# KiCad board demomatrix.kicad_pcb (continued)
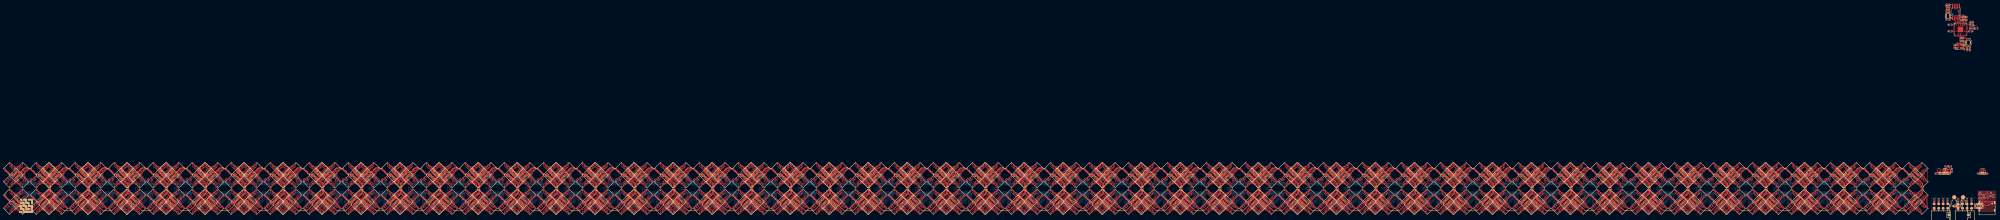
[diagram p0: board, top side]
## Placement (name value [footprint] x y rotation side) (continued)
C435  10µF ±10% 25V X5R  [C0805]  -156.49 6.37 45 top
C436  10µF ±10% 25V X5R  [C0805]  -139.85 19.82 45 top
C437  10µF ±10% 25V X5R  [C0805]  -141.54 4.75 315 top
C438  10µF ±10% 25V X5R  [C0805]  -154.84 4.7 45 top
C439  10µF ±10% 25V X5R  [C0805]  -139.94 6.4 315 top
C440  10µF ±10% 25V X5R  [C0805]  -141.46 21.49 45 top
C441  100nF ±10% 16V X7R  [C0402]  -153.23 13.08 90 bottom
C442  100nF ±10% 16V X7R  [C0402]  5.89 21.49 180 top
C443  100nF ±10% 16V X7R  [C0402]  3.55 21.49 0 top
C444  100nF ±10% 16V X7R  [C0402]  8.89 21.49 180 top
C445  100nF ±10% 16V X7R  [C0402]  6.55 21.49 0 top
C446  100nF ±10% 16V X7R  [C0402]  9.89 21.49 180 top
C447  100nF ±10% 16V X7R  [C0402]  7.55 21.49 0 top
C448  1µF ±10% 25V X5R  [C0402]  11.93 23.38 90 top
C449  1µF ±10% 25V X5R  [C0402]  7.51 23.45 270 top
C450  1µF ±10% 25V X5R  [C0402]  9.71 113.87 180 top
C451  2.2µF ±20% 6.3V X5R  [C0402]  19.21 109.32 90 top
C452  100nF ±10% 16V X7R  [C0402]  17.21 109.32 90 top
C453  100nF ±10% 16V X7R  [C0402]  18.11 97.37 270 top
C454  15pF ±5% 50V C0G  [C0402]  13.36 93.52 90 top
C455  15pF ±5% 50V C0G  [C0402]  18.86 93.02 270 top
C456  2.2µF ±20% 6.3V X5R  [C0402]  20.21 109.32 90 top
C457  100nF ±10% 16V X7R  [C0402]  18.21 109.62 90 top
C458  100nF ±10% 16V X7R  [C0402]  17.11 97.37 270 top
C459  100nF ±10% 16V X7R  [C0402]  23.21 105.37 0 top
C460  100nF ±10% 16V X7R  [C0402]  22.46 102.12 0 top
C461  100nF ±10% 16V X7R  [C0402]  10.96 105.72 180 top
C462  100nF ±10% 16V X7R  [C0402]  10.96 102.12 180 top
C463  2.2µF ±20% 6.3V X5R  [C0402]  9.71 117.12 180 top
C464  100nF ±10% 16V X7R  [C0402]  9.71 116.12 180 top
C465  1µF ±10% 25V X5R  [C0402]  21.21 92.37 0 top
C466  100nF ±10% 16V X7R  [C0402]  29.89 21.49 180 top
C467  100nF ±10% 16V X7R  [C0402]  27.55 21.49 0 top
C468  100nF ±10% 16V X7R  [C0402]  30.89 21.49 180 top
C469  100nF ±10% 16V X7R  [C0402]  28.55 21.49 0 top
C470  100nF ±10% 16V X7R  [C0402]  33.96 9.62 270 top
CN1  -  [CONN-TH_XT30PW-M]  15.71 3.12 0 top
D1  -  [SOT-23-6_L2.9-W1.6-P0.95-LS2.8-BL]  31.71 8.87 0 top
F1  -  [F0805]  27.71 8.62 90 top
LED1  -  [LED-SMD_8P-L5.0-W5.0-P1.20_HL-5050RGBW-S1-A27]  -1083.39 24.29 45 top
LED2  -  [LED-SMD_8P-L5.0-W5.0-P1.20_HL-5050RGBW-S1-A27]  -1075.99 24.29 315 top
LED3  -  [LED-SMD_8P-L5.0-W5.0-P1.20_HL-5050RGBW-S1-A27]  -1075.99 16.89 225 top
LED4  -  [LED-SMD_8P-L5.0-W5.0-P1.20_HL-5050RGBW-S1-A27]  -1083.39 16.89 135 top
LED5  -  [LED-SMD_8P-L5.0-W5.0-P1.20_HL-5050RGBW-S1-A27]  -1068.39 24.29 45 top
LED6  -  [LED-SMD_8P-L5.0-W5.0-P1.20_HL-5050RGBW-S1-A27]  -1060.99 24.29 315 top
LED7  -  [LED-SMD_8P-L5.0-W5.0-P1.20_HL-5050RGBW-S1-A27]  -1060.99 16.89 225 top
LED8  -  [LED-SMD_8P-L5.0-W5.0-P1.20_HL-5050RGBW-S1-A27]  -1068.39 16.89 135 top
LED9  -  [LED-SMD_8P-L5.0-W5.0-P1.20_HL-5050RGBW-S1-A27]  -1083.39 9.29 45 top
LED10  -  [LED-SMD_8P-L5.0-W5.0-P1.20_HL-5050RGBW-S1-A27]  -1075.99 9.29 315 top
LED11  -  [LED-SMD_8P-L5.0-W5.0-P1.20_HL-5050RGBW-S1-A27]  -1075.99 1.89 225 top
LED12  -  [LED-SMD_8P-L5.0-W5.0-P1.20_HL-5050RGBW-S1-A27]  -1083.39 1.89 135 top
LED13  -  [LED-SMD_8P-L5.0-W5.0-P1.20_HL-5050RGBW-S1-A27]  -1068.39 9.29 45 top
LED14  -  [LED-SMD_8P-L5.0-W5.0-P1.20_HL-5050RGBW-S1-A27]  -1060.99 9.29 315 top
LED15  -  [LED-SMD_8P-L5.0-W5.0-P1.20_HL-5050RGBW-S1-A27]  -1060.99 1.89 225 top
LED16  -  [LED-SMD_8P-L5.0-W5.0-P1.20_HL-5050RGBW-S1-A27]  -1068.39 1.89 135 top
LED17  -  [LED-SMD_8P-L5.0-W5.0-P1.20_HL-5050RGBW-S1-A27]  -841.39 24.29 45 top
LED18  -  [LED-SMD_8P-L5.0-W5.0-P1.20_HL-5050RGBW-S1-A27]  -833.99 24.29 315 top
LED19  -  [LED-SMD_8P-L5.0-W5.0-P1.20_HL-5050RGBW-S1-A27]  -833.99 16.89 225 top
LED20  -  [LED-SMD_8P-L5.0-W5.0-P1.20_HL-5050RGBW-S1-A27]  -841.39 16.89 135 top
LED21  -  [LED-SMD_8P-L5.0-W5.0-P1.20_HL-5050RGBW-S1-A27]  -826.39 24.29 45 top
LED22  -  [LED-SMD_8P-L5.0-W5.0-P1.20_HL-5050RGBW-S1-A27]  -818.99 24.29 315 top
LED23  -  [LED-SMD_8P-L5.0-W5.0-P1.20_HL-5050RGBW-S1-A27]  -818.99 16.89 225 top
LED24  -  [LED-SMD_8P-L5.0-W5.0-P1.20_HL-5050RGBW-S1-A27]  -826.39 16.89 135 top
LED25  -  [LED-SMD_8P-L5.0-W5.0-P1.20_HL-5050RGBW-S1-A27]  -841.39 9.29 45 top
LED26  -  [LED-SMD_8P-L5.0-W5.0-P1.20_HL-5050RGBW-S1-A27]  -833.99 9.29 315 top
LED27  -  [LED-SMD_8P-L5.0-W5.0-P1.20_HL-5050RGBW-S1-A27]  -833.99 1.89 225 top
LED28  -  [LED-SMD_8P-L5.0-W5.0-P1.20_HL-5050RGBW-S1-A27]  -841.39 1.89 135 top
LED29  -  [LED-SMD_8P-L5.0-W5.0-P1.20_HL-5050RGBW-S1-A27]  -826.39 9.29 45 top
LED30  -  [LED-SMD_8P-L5.0-W5.0-P1.20_HL-5050RGBW-S1-A27]  -818.99 9.29 315 top
LED31  -  [LED-SMD_8P-L5.0-W5.0-P1.20_HL-5050RGBW-S1-A27]  -818.99 1.89 225 top
LED32  -  [LED-SMD_8P-L5.0-W5.0-P1.20_HL-5050RGBW-S1-A27]  -826.39 1.89 135 top
LED33  -  [LED-SMD_8P-L5.0-W5.0-P1.20_HL-5050RGBW-S1-A27]  -599.39 24.29 45 top
LED34  -  [LED-SMD_8P-L5.0-W5.0-P1.20_HL-5050RGBW-S1-A27]  -591.99 24.29 315 top
LED35  -  [LED-SMD_8P-L5.0-W5.0-P1.20_HL-5050RGBW-S1-A27]  -591.99 16.89 225 top
LED36  -  [LED-SMD_8P-L5.0-W5.0-P1.20_HL-5050RGBW-S1-A27]  -599.39 16.89 135 top
LED37  -  [LED-SMD_8P-L5.0-W5.0-P1.20_HL-5050RGBW-S1-A27]  -584.39 24.29 45 top
LED38  -  [LED-SMD_8P-L5.0-W5.0-P1.20_HL-5050RGBW-S1-A27]  -576.99 24.29 315 top
LED39  -  [LED-SMD_8P-L5.0-W5.0-P1.20_HL-5050RGBW-S1-A27]  -576.99 16.89 225 top
LED40  -  [LED-SMD_8P-L5.0-W5.0-P1.20_HL-5050RGBW-S1-A27]  -584.39 16.89 135 top
LED41  -  [LED-SMD_8P-L5.0-W5.0-P1.20_HL-5050RGBW-S1-A27]  -599.39 9.29 45 top
LED42  -  [LED-SMD_8P-L5.0-W5.0-P1.20_HL-5050RGBW-S1-A27]  -591.99 9.29 315 top
LED43  -  [LED-SMD_8P-L5.0-W5.0-P1.20_HL-5050RGBW-S1-A27]  -591.99 1.89 225 top
LED44  -  [LED-SMD_8P-L5.0-W5.0-P1.20_HL-5050RGBW-S1-A27]  -599.39 1.89 135 top
LED45  -  [LED-SMD_8P-L5.0-W5.0-P1.20_HL-5050RGBW-S1-A27]  -584.39 9.29 45 top
LED46  -  [LED-SMD_8P-L5.0-W5.0-P1.20_HL-5050RGBW-S1-A27]  -576.99 9.29 315 top
LED47  -  [LED-SMD_8P-L5.0-W5.0-P1.20_HL-5050RGBW-S1-A27]  -576.99 1.89 225 top
LED48  -  [LED-SMD_8P-L5.0-W5.0-P1.20_HL-5050RGBW-S1-A27]  -584.39 1.89 135 top
LED49  -  [LED-SMD_8P-L5.0-W5.0-P1.20_HL-5050RGBW-S1-A27]  -357.39 24.29 45 top
LED50  -  [LED-SMD_8P-L5.0-W5.0-P1.20_HL-5050RGBW-S1-A27]  -349.99 24.29 315 top
LED51  -  [LED-SMD_8P-L5.0-W5.0-P1.20_HL-5050RGBW-S1-A27]  -349.99 16.89 225 top
LED52  -  [LED-SMD_8P-L5.0-W5.0-P1.20_HL-5050RGBW-S1-A27]  -357.39 16.89 135 top
LED53  -  [LED-SMD_8P-L5.0-W5.0-P1.20_HL-5050RGBW-S1-A27]  -342.39 24.29 45 top
LED54  -  [LED-SMD_8P-L5.0-W5.0-P1.20_HL-5050RGBW-S1-A27]  -334.99 24.29 315 top
LED55  -  [LED-SMD_8P-L5.0-W5.0-P1.20_HL-5050RGBW-S1-A27]  -334.99 16.89 225 top
LED56  -  [LED-SMD_8P-L5.0-W5.0-P1.20_HL-5050RGBW-S1-A27]  -342.39 16.89 135 top
LED57  -  [LED-SMD_8P-L5.0-W5.0-P1.20_HL-5050RGBW-S1-A27]  -357.39 9.29 45 top
LED58  -  [LED-SMD_8P-L5.0-W5.0-P1.20_HL-5050RGBW-S1-A27]  -349.99 9.29 315 top
LED59  -  [LED-SMD_8P-L5.0-W5.0-P1.20_HL-5050RGBW-S1-A27]  -349.99 1.89 225 top
LED60  -  [LED-SMD_8P-L5.0-W5.0-P1.20_HL-5050RGBW-S1-A27]  -357.39 1.89 135 top
LED61  -  [LED-SMD_8P-L5.0-W5.0-P1.20_HL-5050RGBW-S1-A27]  -342.39 9.29 45 top
LED62  -  [LED-SMD_8P-L5.0-W5.0-P1.20_HL-5050RGBW-S1-A27]  -334.99 9.29 315 top
LED63  -  [LED-SMD_8P-L5.0-W5.0-P1.20_HL-5050RGBW-S1-A27]  -334.99 1.89 225 top
LED64  -  [LED-SMD_8P-L5.0-W5.0-P1.20_HL-5050RGBW-S1-A27]  -342.39 1.89 135 top
LED65  -  [LED-SMD_8P-L5.0-W5.0-P1.20_HL-5050RGBW-S1-A27]  -137.39 24.29 45 top
LED66  -  [LED-SMD_8P-L5.0-W5.0-P1.20_HL-5050RGBW-S1-A27]  -129.99 24.29 315 top
LED67  -  [LED-SMD_8P-L5.0-W5.0-P1.20_HL-5050RGBW-S1-A27]  -129.99 16.89 225 top
LED68  -  [LED-SMD_8P-L5.0-W5.0-P1.20_HL-5050RGBW-S1-A27]  -137.39 16.89 135 top
LED69  -  [LED-SMD_8P-L5.0-W5.0-P1.20_HL-5050RGBW-S1-A27]  -122.39 24.29 45 top
LED70  -  [LED-SMD_8P-L5.0-W5.0-P1.20_HL-5050RGBW-S1-A27]  -114.99 24.29 315 top
LED71  -  [LED-SMD_8P-L5.0-W5.0-P1.20_HL-5050RGBW-S1-A27]  -114.99 16.89 225 top
LED72  -  [LED-SMD_8P-L5.0-W5.0-P1.20_HL-5050RGBW-S1-A27]  -122.39 16.89 135 top
LED73  -  [LED-SMD_8P-L5.0-W5.0-P1.20_HL-5050RGBW-S1-A27]  -137.39 9.29 45 top
LED74  -  [LED-SMD_8P-L5.0-W5.0-P1.20_HL-5050RGBW-S1-A27]  -129.99 9.29 315 top
LED75  -  [LED-SMD_8P-L5.0-W5.0-P1.20_HL-5050RGBW-S1-A27]  -129.99 1.89 225 top
LED76  -  [LED-SMD_8P-L5.0-W5.0-P1.20_HL-5050RGBW-S1-A27]  -137.39 1.89 135 top
LED77  -  [LED-SMD_8P-L5.0-W5.0-P1.20_HL-5050RGBW-S1-A27]  -122.39 9.29 45 top
LED78  -  [LED-SMD_8P-L5.0-W5.0-P1.20_HL-5050RGBW-S1-A27]  -114.99 9.29 315 top
LED79  -  [LED-SMD_8P-L5.0-W5.0-P1.20_HL-5050RGBW-S1-A27]  -114.99 1.89 225 top
LED80  -  [LED-SMD_8P-L5.0-W5.0-P1.20_HL-5050RGBW-S1-A27]  -122.39 1.89 135 top
LED81  -  [LED-SMD_8P-L5.0-W5.0-P1.20_HL-5050RGBW-S1-A27]  -115.39 24.29 45 top
LED82  -  [LED-SMD_8P-L5.0-W5.0-P1.20_HL-5050RGBW-S1-A27]  -107.99 24.29 315 top
LED83  -  [LED-SMD_8P-L5.0-W5.0-P1.20_HL-5050RGBW-S1-A27]  -107.99 16.89 225 top
LED84  -  [LED-SMD_8P-L5.0-W5.0-P1.20_HL-5050RGBW-S1-A27]  -115.39 16.89 135 top
LED85  -  [LED-SMD_8P-L5.0-W5.0-P1.20_HL-5050RGBW-S1-A27]  -100.39 24.29 45 top
LED86  -  [LED-SMD_8P-L5.0-W5.0-P1.20_HL-5050RGBW-S1-A27]  -92.99 24.29 315 top
LED87  -  [LED-SMD_8P-L5.0-W5.0-P1.20_HL-5050RGBW-S1-A27]  -92.99 16.89 225 top
LED88  -  [LED-SMD_8P-L5.0-W5.0-P1.20_HL-5050RGBW-S1-A27]  -100.39 16.89 135 top
LED89  -  [LED-SMD_8P-L5.0-W5.0-P1.20_HL-5050RGBW-S1-A27]  -115.39 9.29 45 top
LED90  -  [LED-SMD_8P-L5.0-W5.0-P1.20_HL-5050RGBW-S1-A27]  -107.99 9.29 315 top
LED91  -  [LED-SMD_8P-L5.0-W5.0-P1.20_HL-5050RGBW-S1-A27]  -107.99 1.89 225 top
LED92  -  [LED-SMD_8P-L5.0-W5.0-P1.20_HL-5050RGBW-S1-A27]  -115.39 1.89 135 top
LED93  -  [LED-SMD_8P-L5.0-W5.0-P1.20_HL-5050RGBW-S1-A27]  -100.39 9.29 45 top
LED94  -  [LED-SMD_8P-L5.0-W5.0-P1.20_HL-5050RGBW-S1-A27]  -92.99 9.29 315 top
LED95  -  [LED-SMD_8P-L5.0-W5.0-P1.20_HL-5050RGBW-S1-A27]  -92.99 1.89 225 top
LED96  -  [LED-SMD_8P-L5.0-W5.0-P1.20_HL-5050RGBW-S1-A27]  -100.39 1.89 135 top
LED97  -  [LED-SMD_8P-L5.0-W5.0-P1.20_HL-5050RGBW-S1-A27]  -93.39 24.29 45 top
LED98  -  [LED-SMD_8P-L5.0-W5.0-P1.20_HL-5050RGBW-S1-A27]  -85.99 24.29 315 top
LED99  -  [LED-SMD_8P-L5.0-W5.0-P1.20_HL-5050RGBW-S1-A27]  -85.99 16.89 225 top
LED100  -  [LED-SMD_8P-L5.0-W5.0-P1.20_HL-5050RGBW-S1-A27]  -93.39 16.89 135 top
LED101  -  [LED-SMD_8P-L5.0-W5.0-P1.20_HL-5050RGBW-S1-A27]  -78.39 24.29 45 top
LED102  -  [LED-SMD_8P-L5.0-W5.0-P1.20_HL-5050RGBW-S1-A27]  -70.99 24.29 315 top
LED103  -  [LED-SMD_8P-L5.0-W5.0-P1.20_HL-5050RGBW-S1-A27]  -70.99 16.89 225 top
LED104  -  [LED-SMD_8P-L5.0-W5.0-P1.20_HL-5050RGBW-S1-A27]  -78.39 16.89 135 top
LED105  -  [LED-SMD_8P-L5.0-W5.0-P1.20_HL-5050RGBW-S1-A27]  -93.39 9.29 45 top
LED106  -  [LED-SMD_8P-L5.0-W5.0-P1.20_HL-5050RGBW-S1-A27]  -85.99 9.29 315 top
LED107  -  [LED-SMD_8P-L5.0-W5.0-P1.20_HL-5050RGBW-S1-A27]  -85.99 1.89 225 top
LED108  -  [LED-SMD_8P-L5.0-W5.0-P1.20_HL-5050RGBW-S1-A27]  -93.39 1.89 135 top
LED109  -  [LED-SMD_8P-L5.0-W5.0-P1.20_HL-5050RGBW-S1-A27]  -78.39 9.29 45 top
LED110  -  [LED-SMD_8P-L5.0-W5.0-P1.20_HL-5050RGBW-S1-A27]  -70.99 9.29 315 top
LED111  -  [LED-SMD_8P-L5.0-W5.0-P1.20_HL-5050RGBW-S1-A27]  -70.99 1.89 225 top
LED112  -  [LED-SMD_8P-L5.0-W5.0-P1.20_HL-5050RGBW-S1-A27]  -78.39 1.89 135 top
LED113  -  [LED-SMD_8P-L5.0-W5.0-P1.20_HL-5050RGBW-S1-A27]  -71.39 24.29 45 top
LED114  -  [LED-SMD_8P-L5.0-W5.0-P1.20_HL-5050RGBW-S1-A27]  -63.99 24.29 315 top
LED115  -  [LED-SMD_8P-L5.0-W5.0-P1.20_HL-5050RGBW-S1-A27]  -63.99 16.89 225 top
LED116  -  [LED-SMD_8P-L5.0-W5.0-P1.20_HL-5050RGBW-S1-A27]  -71.39 16.89 135 top
LED117  -  [LED-SMD_8P-L5.0-W5.0-P1.20_HL-5050RGBW-S1-A27]  -56.39 24.29 45 top
LED118  -  [LED-SMD_8P-L5.0-W5.0-P1.20_HL-5050RGBW-S1-A27]  -48.99 24.29 315 top
LED119  -  [LED-SMD_8P-L5.0-W5.0-P1.20_HL-5050RGBW-S1-A27]  -48.99 16.89 225 top
LED120  -  [LED-SMD_8P-L5.0-W5.0-P1.20_HL-5050RGBW-S1-A27]  -56.39 16.89 135 top
LED121  -  [LED-SMD_8P-L5.0-W5.0-P1.20_HL-5050RGBW-S1-A27]  -71.39 9.29 45 top
LED122  -  [LED-SMD_8P-L5.0-W5.0-P1.20_HL-5050RGBW-S1-A27]  -63.99 9.29 315 top
LED123  -  [LED-SMD_8P-L5.0-W5.0-P1.20_HL-5050RGBW-S1-A27]  -63.99 1.89 225 top
LED124  -  [LED-SMD_8P-L5.0-W5.0-P1.20_HL-5050RGBW-S1-A27]  -71.39 1.89 135 top
LED125  -  [LED-SMD_8P-L5.0-W5.0-P1.20_HL-5050RGBW-S1-A27]  -56.39 9.29 45 top
LED126  -  [LED-SMD_8P-L5.0-W5.0-P1.20_HL-5050RGBW-S1-A27]  -48.99 9.29 315 top
LED127  -  [LED-SMD_8P-L5.0-W5.0-P1.20_HL-5050RGBW-S1-A27]  -48.99 1.89 225 top
LED128  -  [LED-SMD_8P-L5.0-W5.0-P1.20_HL-5050RGBW-S1-A27]  -56.39 1.89 135 top
LED129  -  [LED-SMD_8P-L5.0-W5.0-P1.20_HL-5050RGBW-S1-A27]  -49.39 24.29 45 top
LED130  -  [LED-SMD_8P-L5.0-W5.0-P1.20_HL-5050RGBW-S1-A27]  -41.99 24.29 315 top
LED131  -  [LED-SMD_8P-L5.0-W5.0-P1.20_HL-5050RGBW-S1-A27]  -41.99 16.89 225 top
LED132  -  [LED-SMD_8P-L5.0-W5.0-P1.20_HL-5050RGBW-S1-A27]  -49.39 16.89 135 top
LED133  -  [LED-SMD_8P-L5.0-W5.0-P1.20_HL-5050RGBW-S1-A27]  -34.39 24.29 45 top
LED134  -  [LED-SMD_8P-L5.0-W5.0-P1.20_HL-5050RGBW-S1-A27]  -26.99 24.29 315 top
LED135  -  [LED-SMD_8P-L5.0-W5.0-P1.20_HL-5050RGBW-S1-A27]  -26.99 16.89 225 top
LED136  -  [LED-SMD_8P-L5.0-W5.0-P1.20_HL-5050RGBW-S1-A27]  -34.39 16.89 135 top
LED137  -  [LED-SMD_8P-L5.0-W5.0-P1.20_HL-5050RGBW-S1-A27]  -49.39 9.29 45 top
LED138  -  [LED-SMD_8P-L5.0-W5.0-P1.20_HL-5050RGBW-S1-A27]  -41.99 9.29 315 top
LED139  -  [LED-SMD_8P-L5.0-W5.0-P1.20_HL-5050RGBW-S1-A27]  -41.99 1.89 225 top
LED140  -  [LED-SMD_8P-L5.0-W5.0-P1.20_HL-5050RGBW-S1-A27]  -49.39 1.89 135 top
LED141  -  [LED-SMD_8P-L5.0-W5.0-P1.20_HL-5050RGBW-S1-A27]  -34.39 9.29 45 top
LED142  -  [LED-SMD_8P-L5.0-W5.0-P1.20_HL-5050RGBW-S1-A27]  -26.99 9.29 315 top
LED143  -  [LED-SMD_8P-L5.0-W5.0-P1.20_HL-5050RGBW-S1-A27]  -26.99 1.89 225 top
LED144  -  [LED-SMD_8P-L5.0-W5.0-P1.20_HL-5050RGBW-S1-A27]  -34.39 1.89 135 top
LED145  -  [LED-SMD_8P-L5.0-W5.0-P1.20_HL-5050RGBW-S1-A27]  -27.39 24.29 45 top
LED146  -  [LED-SMD_8P-L5.0-W5.0-P1.20_HL-5050RGBW-S1-A27]  -19.99 24.29 315 top
LED147  -  [LED-SMD_8P-L5.0-W5.0-P1.20_HL-5050RGBW-S1-A27]  -19.99 16.89 225 top
LED148  -  [LED-SMD_8P-L5.0-W5.0-P1.20_HL-5050RGBW-S1-A27]  -27.39 16.89 135 top
LED149  -  [LED-SMD_8P-L5.0-W5.0-P1.20_HL-5050RGBW-S1-A27]  -12.39 24.29 45 top
LED150  -  [LED-SMD_8P-L5.0-W5.0-P1.20_HL-5050RGBW-S1-A27]  -4.99 24.29 315 top
LED151  -  [LED-SMD_8P-L5.0-W5.0-P1.20_HL-5050RGBW-S1-A27]  -4.99 16.89 225 top
LED152  -  [LED-SMD_8P-L5.0-W5.0-P1.20_HL-5050RGBW-S1-A27]  -12.39 16.89 135 top
LED153  -  [LED-SMD_8P-L5.0-W5.0-P1.20_HL-5050RGBW-S1-A27]  -27.39 9.29 45 top
LED154  -  [LED-SMD_8P-L5.0-W5.0-P1.20_HL-5050RGBW-S1-A27]  -19.99 9.29 315 top
LED155  -  [LED-SMD_8P-L5.0-W5.0-P1.20_HL-5050RGBW-S1-A27]  -19.99 1.89 225 top
LED156  -  [LED-SMD_8P-L5.0-W5.0-P1.20_HL-5050RGBW-S1-A27]  -27.39 1.89 135 top
LED157  -  [LED-SMD_8P-L5.0-W5.0-P1.20_HL-5050RGBW-S1-A27]  -12.39 9.29 45 top
LED158  -  [LED-SMD_8P-L5.0-W5.0-P1.20_HL-5050RGBW-S1-A27]  -4.99 9.29 315 top
LED159  -  [LED-SMD_8P-L5.0-W5.0-P1.20_HL-5050RGBW-S1-A27]  -4.99 1.89 225 top
LED160  -  [LED-SMD_8P-L5.0-W5.0-P1.20_HL-5050RGBW-S1-A27]  -12.39 1.89 135 top
LED161  -  [LED-SMD_8P-L5.0-W5.0-P1.20_HL-5050RGBW-S1-A27]  -1061.39 24.29 45 top
LED162  -  [LED-SMD_8P-L5.0-W5.0-P1.20_HL-5050RGBW-S1-A27]  -1053.99 24.29 315 top
LED163  -  [LED-SMD_8P-L5.0-W5.0-P1.20_HL-5050RGBW-S1-A27]  -1053.99 16.89 225 top
LED164  -  [LED-SMD_8P-L5.0-W5.0-P1.20_HL-5050RGBW-S1-A27]  -1061.39 16.89 135 top
LED165  -  [LED-SMD_8P-L5.0-W5.0-P1.20_HL-5050RGBW-S1-A27]  -1046.39 24.29 45 top
LED166  -  [LED-SMD_8P-L5.0-W5.0-P1.20_HL-5050RGBW-S1-A27]  -1038.99 24.29 315 top
LED167  -  [LED-SMD_8P-L5.0-W5.0-P1.20_HL-5050RGBW-S1-A27]  -1038.99 16.89 225 top
LED168  -  [LED-SMD_8P-L5.0-W5.0-P1.20_HL-5050RGBW-S1-A27]  -1046.39 16.89 135 top
LED169  -  [LED-SMD_8P-L5.0-W5.0-P1.20_HL-5050RGBW-S1-A27]  -1061.39 9.29 45 top
LED170  -  [LED-SMD_8P-L5.0-W5.0-P1.20_HL-5050RGBW-S1-A27]  -1053.99 9.29 315 top
LED171  -  [LED-SMD_8P-L5.0-W5.0-P1.20_HL-5050RGBW-S1-A27]  -1053.99 1.89 225 top
LED172  -  [LED-SMD_8P-L5.0-W5.0-P1.20_HL-5050RGBW-S1-A27]  -1061.39 1.89 135 top
LED173  -  [LED-SMD_8P-L5.0-W5.0-P1.20_HL-5050RGBW-S1-A27]  -1046.39 9.29 45 top
LED174  -  [LED-SMD_8P-L5.0-W5.0-P1.20_HL-5050RGBW-S1-A27]  -1038.99 9.29 315 top
LED175  -  [LED-SMD_8P-L5.0-W5.0-P1.20_HL-5050RGBW-S1-A27]  -1038.99 1.89 225 top
LED176  -  [LED-SMD_8P-L5.0-W5.0-P1.20_HL-5050RGBW-S1-A27]  -1046.39 1.89 135 top
LED177  -  [LED-SMD_8P-L5.0-W5.0-P1.20_HL-5050RGBW-S1-A27]  -1039.39 24.29 45 top
LED178  -  [LED-SMD_8P-L5.0-W5.0-P1.20_HL-5050RGBW-S1-A27]  -1031.99 24.29 315 top
LED179  -  [LED-SMD_8P-L5.0-W5.0-P1.20_HL-5050RGBW-S1-A27]  -1031.99 16.89 225 top
LED180  -  [LED-SMD_8P-L5.0-W5.0-P1.20_HL-5050RGBW-S1-A27]  -1039.39 16.89 135 top
LED181  -  [LED-SMD_8P-L5.0-W5.0-P1.20_HL-5050RGBW-S1-A27]  -1024.39 24.29 45 top
LED182  -  [LED-SMD_8P-L5.0-W5.0-P1.20_HL-5050RGBW-S1-A27]  -1016.99 24.29 315 top
LED183  -  [LED-SMD_8P-L5.0-W5.0-P1.20_HL-5050RGBW-S1-A27]  -1016.99 16.89 225 top
LED184  -  [LED-SMD_8P-L5.0-W5.0-P1.20_HL-5050RGBW-S1-A27]  -1024.39 16.89 135 top
LED185  -  [LED-SMD_8P-L5.0-W5.0-P1.20_HL-5050RGBW-S1-A27]  -1039.39 9.29 45 top
LED186  -  [LED-SMD_8P-L5.0-W5.0-P1.20_HL-5050RGBW-S1-A27]  -1031.99 9.29 315 top
LED187  -  [LED-SMD_8P-L5.0-W5.0-P1.20_HL-5050RGBW-S1-A27]  -1031.99 1.89 225 top
LED188  -  [LED-SMD_8P-L5.0-W5.0-P1.20_HL-5050RGBW-S1-A27]  -1039.39 1.89 135 top
LED189  -  [LED-SMD_8P-L5.0-W5.0-P1.20_HL-5050RGBW-S1-A27]  -1024.39 9.29 45 top
LED190  -  [LED-SMD_8P-L5.0-W5.0-P1.20_HL-5050RGBW-S1-A27]  -1016.99 9.29 315 top
LED191  -  [LED-SMD_8P-L5.0-W5.0-P1.20_HL-5050RGBW-S1-A27]  -1016.99 1.89 225 top
LED192  -  [LED-SMD_8P-L5.0-W5.0-P1.20_HL-5050RGBW-S1-A27]  -1024.39 1.89 135 top
LED193  -  [LED-SMD_8P-L5.0-W5.0-P1.20_HL-5050RGBW-S1-A27]  -1017.39 24.29 45 top
LED194  -  [LED-SMD_8P-L5.0-W5.0-P1.20_HL-5050RGBW-S1-A27]  -1009.99 24.29 315 top
LED195  -  [LED-SMD_8P-L5.0-W5.0-P1.20_HL-5050RGBW-S1-A27]  -1009.99 16.89 225 top
LED196  -  [LED-SMD_8P-L5.0-W5.0-P1.20_HL-5050RGBW-S1-A27]  -1017.39 16.89 135 top
LED197  -  [LED-SMD_8P-L5.0-W5.0-P1.20_HL-5050RGBW-S1-A27]  -1002.39 24.29 45 top
LED198  -  [LED-SMD_8P-L5.0-W5.0-P1.20_HL-5050RGBW-S1-A27]  -994.99 24.29 315 top
LED199  -  [LED-SMD_8P-L5.0-W5.0-P1.20_HL-5050RGBW-S1-A27]  -994.99 16.89 225 top
LED200  -  [LED-SMD_8P-L5.0-W5.0-P1.20_HL-5050RGBW-S1-A27]  -1002.39 16.89 135 top
LED201  -  [LED-SMD_8P-L5.0-W5.0-P1.20_HL-5050RGBW-S1-A27]  -1017.39 9.29 45 top
LED202  -  [LED-SMD_8P-L5.0-W5.0-P1.20_HL-5050RGBW-S1-A27]  -1009.99 9.29 315 top
LED203  -  [LED-SMD_8P-L5.0-W5.0-P1.20_HL-5050RGBW-S1-A27]  -1009.99 1.89 225 top
LED204  -  [LED-SMD_8P-L5.0-W5.0-P1.20_HL-5050RGBW-S1-A27]  -1017.39 1.89 135 top
LED205  -  [LED-SMD_8P-L5.0-W5.0-P1.20_HL-5050RGBW-S1-A27]  -1002.39 9.29 45 top
LED206  -  [LED-SMD_8P-L5.0-W5.0-P1.20_HL-5050RGBW-S1-A27]  -994.99 9.29 315 top
LED207  -  [LED-SMD_8P-L5.0-W5.0-P1.20_HL-5050RGBW-S1-A27]  -994.99 1.89 225 top
LED208  -  [LED-SMD_8P-L5.0-W5.0-P1.20_HL-5050RGBW-S1-A27]  -1002.39 1.89 135 top
LED209  -  [LED-SMD_8P-L5.0-W5.0-P1.20_HL-5050RGBW-S1-A27]  -995.39 24.29 45 top
LED210  -  [LED-SMD_8P-L5.0-W5.0-P1.20_HL-5050RGBW-S1-A27]  -987.99 24.29 315 top
LED211  -  [LED-SMD_8P-L5.0-W5.0-P1.20_HL-5050RGBW-S1-A27]  -987.99 16.89 225 top
LED212  -  [LED-SMD_8P-L5.0-W5.0-P1.20_HL-5050RGBW-S1-A27]  -995.39 16.89 135 top
LED213  -  [LED-SMD_8P-L5.0-W5.0-P1.20_HL-5050RGBW-S1-A27]  -980.39 24.29 45 top
LED214  -  [LED-SMD_8P-L5.0-W5.0-P1.20_HL-5050RGBW-S1-A27]  -972.99 24.29 315 top
LED215  -  [LED-SMD_8P-L5.0-W5.0-P1.20_HL-5050RGBW-S1-A27]  -972.99 16.89 225 top
LED216  -  [LED-SMD_8P-L5.0-W5.0-P1.20_HL-5050RGBW-S1-A27]  -980.39 16.89 135 top
LED217  -  [LED-SMD_8P-L5.0-W5.0-P1.20_HL-5050RGBW-S1-A27]  -995.39 9.29 45 top
LED218  -  [LED-SMD_8P-L5.0-W5.0-P1.20_HL-5050RGBW-S1-A27]  -987.99 9.29 315 top
LED219  -  [LED-SMD_8P-L5.0-W5.0-P1.20_HL-5050RGBW-S1-A27]  -987.99 1.89 225 top
LED220  -  [LED-SMD_8P-L5.0-W5.0-P1.20_HL-5050RGBW-S1-A27]  -995.39 1.89 135 top
LED221  -  [LED-SMD_8P-L5.0-W5.0-P1.20_HL-5050RGBW-S1-A27]  -980.39 9.29 45 top
LED222  -  [LED-SMD_8P-L5.0-W5.0-P1.20_HL-5050RGBW-S1-A27]  -972.99 9.29 315 top
LED223  -  [LED-SMD_8P-L5.0-W5.0-P1.20_HL-5050RGBW-S1-A27]  -972.99 1.89 225 top
LED224  -  [LED-SMD_8P-L5.0-W5.0-P1.20_HL-5050RGBW-S1-A27]  -980.39 1.89 135 top
LED225  -  [LED-SMD_8P-L5.0-W5.0-P1.20_HL-5050RGBW-S1-A27]  -973.39 24.29 45 top
LED226  -  [LED-SMD_8P-L5.0-W5.0-P1.20_HL-5050RGBW-S1-A27]  -965.99 24.29 315 top
LED227  -  [LED-SMD_8P-L5.0-W5.0-P1.20_HL-5050RGBW-S1-A27]  -965.99 16.89 225 top
LED228  -  [LED-SMD_8P-L5.0-W5.0-P1.20_HL-5050RGBW-S1-A27]  -973.39 16.89 135 top
LED229  -  [LED-SMD_8P-L5.0-W5.0-P1.20_HL-5050RGBW-S1-A27]  -958.39 24.29 45 top
LED230  -  [LED-SMD_8P-L5.0-W5.0-P1.20_HL-5050RGBW-S1-A27]  -950.99 24.29 315 top
LED231  -  [LED-SMD_8P-L5.0-W5.0-P1.20_HL-5050RGBW-S1-A27]  -950.99 16.89 225 top
LED232  -  [LED-SMD_8P-L5.0-W5.0-P1.20_HL-5050RGBW-S1-A27]  -958.39 16.89 135 top
LED233  -  [LED-SMD_8P-L5.0-W5.0-P1.20_HL-5050RGBW-S1-A27]  -973.39 9.29 45 top
LED234  -  [LED-SMD_8P-L5.0-W5.0-P1.20_HL-5050RGBW-S1-A27]  -965.99 9.29 315 top
LED235  -  [LED-SMD_8P-L5.0-W5.0-P1.20_HL-5050RGBW-S1-A27]  -965.99 1.89 225 top
LED236  -  [LED-SMD_8P-L5.0-W5.0-P1.20_HL-5050RGBW-S1-A27]  -973.39 1.89 135 top
LED237  -  [LED-SMD_8P-L5.0-W5.0-P1.20_HL-5050RGBW-S1-A27]  -958.39 9.29 45 top
LED238  -  [LED-SMD_8P-L5.0-W5.0-P1.20_HL-5050RGBW-S1-A27]  -950.99 9.29 315 top
LED239  -  [LED-SMD_8P-L5.0-W5.0-P1.20_HL-5050RGBW-S1-A27]  -950.99 1.89 225 top
LED240  -  [LED-SMD_8P-L5.0-W5.0-P1.20_HL-5050RGBW-S1-A27]  -958.39 1.89 135 top
LED241  -  [LED-SMD_8P-L5.0-W5.0-P1.20_HL-5050RGBW-S1-A27]  -951.39 24.29 45 top
LED242  -  [LED-SMD_8P-L5.0-W5.0-P1.20_HL-5050RGBW-S1-A27]  -943.99 24.29 315 top
LED243  -  [LED-SMD_8P-L5.0-W5.0-P1.20_HL-5050RGBW-S1-A27]  -943.99 16.89 225 top
LED244  -  [LED-SMD_8P-L5.0-W5.0-P1.20_HL-5050RGBW-S1-A27]  -951.39 16.89 135 top
LED245  -  [LED-SMD_8P-L5.0-W5.0-P1.20_HL-5050RGBW-S1-A27]  -936.39 24.29 45 top
LED246  -  [LED-SMD_8P-L5.0-W5.0-P1.20_HL-5050RGBW-S1-A27]  -928.99 24.29 315 top
LED247  -  [LED-SMD_8P-L5.0-W5.0-P1.20_HL-5050RGBW-S1-A27]  -928.99 16.89 225 top
LED248  -  [LED-SMD_8P-L5.0-W5.0-P1.20_HL-5050RGBW-S1-A27]  -936.39 16.89 135 top
LED249  -  [LED-SMD_8P-L5.0-W5.0-P1.20_HL-5050RGBW-S1-A27]  -951.39 9.29 45 top
LED250  -  [LED-SMD_8P-L5.0-W5.0-P1.20_HL-5050RGBW-S1-A27]  -943.99 9.29 315 top
LED251  -  [LED-SMD_8P-L5.0-W5.0-P1.20_HL-5050RGBW-S1-A27]  -943.99 1.89 225 top
LED252  -  [LED-SMD_8P-L5.0-W5.0-P1.20_HL-5050RGBW-S1-A27]  -951.39 1.89 135 top
LED253  -  [LED-SMD_8P-L5.0-W5.0-P1.20_HL-5050RGBW-S1-A27]  -936.39 9.29 45 top
LED254  -  [LED-SMD_8P-L5.0-W5.0-P1.20_HL-5050RGBW-S1-A27]  -928.99 9.29 315 top
LED255  -  [LED-SMD_8P-L5.0-W5.0-P1.20_HL-5050RGBW-S1-A27]  -928.99 1.89 225 top
LED256  -  [LED-SMD_8P-L5.0-W5.0-P1.20_HL-5050RGBW-S1-A27]  -936.39 1.89 135 top
LED257  -  [LED-SMD_8P-L5.0-W5.0-P1.20_HL-5050RGBW-S1-A27]  -929.39 24.29 45 top
LED258  -  [LED-SMD_8P-L5.0-W5.0-P1.20_HL-5050RGBW-S1-A27]  -921.99 24.29 315 top
LED259  -  [LED-SMD_8P-L5.0-W5.0-P1.20_HL-5050RGBW-S1-A27]  -921.99 16.89 225 top
LED260  -  [LED-SMD_8P-L5.0-W5.0-P1.20_HL-5050RGBW-S1-A27]  -929.39 16.89 135 top
LED261  -  [LED-SMD_8P-L5.0-W5.0-P1.20_HL-5050RGBW-S1-A27]  -914.39 24.29 45 top
LED262  -  [LED-SMD_8P-L5.0-W5.0-P1.20_HL-5050RGBW-S1-A27]  -906.99 24.29 315 top
LED263  -  [LED-SMD_8P-L5.0-W5.0-P1.20_HL-5050RGBW-S1-A27]  -906.99 16.89 225 top
LED264  -  [LED-SMD_8P-L5.0-W5.0-P1.20_HL-5050RGBW-S1-A27]  -914.39 16.89 135 top
LED265  -  [LED-SMD_8P-L5.0-W5.0-P1.20_HL-5050RGBW-S1-A27]  -929.39 9.29 45 top
LED266  -  [LED-SMD_8P-L5.0-W5.0-P1.20_HL-5050RGBW-S1-A27]  -921.99 9.29 315 top
LED267  -  [LED-SMD_8P-L5.0-W5.0-P1.20_HL-5050RGBW-S1-A27]  -921.99 1.89 225 top
LED268  -  [LED-SMD_8P-L5.0-W5.0-P1.20_HL-5050RGBW-S1-A27]  -929.39 1.89 135 top
LED269  -  [LED-SMD_8P-L5.0-W5.0-P1.20_HL-5050RGBW-S1-A27]  -914.39 9.29 45 top
LED270  -  [LED-SMD_8P-L5.0-W5.0-P1.20_HL-5050RGBW-S1-A27]  -906.99 9.29 315 top
LED271  -  [LED-SMD_8P-L5.0-W5.0-P1.20_HL-5050RGBW-S1-A27]  -906.99 1.89 225 top
LED272  -  [LED-SMD_8P-L5.0-W5.0-P1.20_HL-5050RGBW-S1-A27]  -914.39 1.89 135 top
LED273  -  [LED-SMD_8P-L5.0-W5.0-P1.20_HL-5050RGBW-S1-A27]  -907.39 24.29 45 top
LED274  -  [LED-SMD_8P-L5.0-W5.0-P1.20_HL-5050RGBW-S1-A27]  -899.99 24.29 315 top
LED275  -  [LED-SMD_8P-L5.0-W5.0-P1.20_HL-5050RGBW-S1-A27]  -899.99 16.89 225 top
LED276  -  [LED-SMD_8P-L5.0-W5.0-P1.20_HL-5050RGBW-S1-A27]  -907.39 16.89 135 top
LED277  -  [LED-SMD_8P-L5.0-W5.0-P1.20_HL-5050RGBW-S1-A27]  -892.39 24.29 45 top
LED278  -  [LED-SMD_8P-L5.0-W5.0-P1.20_HL-5050RGBW-S1-A27]  -884.99 24.29 315 top
LED279  -  [LED-SMD_8P-L5.0-W5.0-P1.20_HL-5050RGBW-S1-A27]  -884.99 16.89 225 top
LED280  -  [LED-SMD_8P-L5.0-W5.0-P1.20_HL-5050RGBW-S1-A27]  -892.39 16.89 135 top
LED281  -  [LED-SMD_8P-L5.0-W5.0-P1.20_HL-5050RGBW-S1-A27]  -907.39 9.29 45 top
LED282  -  [LED-SMD_8P-L5.0-W5.0-P1.20_HL-5050RGBW-S1-A27]  -899.99 9.29 315 top
LED283  -  [LED-SMD_8P-L5.0-W5.0-P1.20_HL-5050RGBW-S1-A27]  -899.99 1.89 225 top
LED284  -  [LED-SMD_8P-L5.0-W5.0-P1.20_HL-5050RGBW-S1-A27]  -907.39 1.89 135 top
LED285  -  [LED-SMD_8P-L5.0-W5.0-P1.20_HL-5050RGBW-S1-A27]  -892.39 9.29 45 top
LED286  -  [LED-SMD_8P-L5.0-W5.0-P1.20_HL-5050RGBW-S1-A27]  -884.99 9.29 315 top
LED287  -  [LED-SMD_8P-L5.0-W5.0-P1.20_HL-5050RGBW-S1-A27]  -884.99 1.89 225 top
LED288  -  [LED-SMD_8P-L5.0-W5.0-P1.20_HL-5050RGBW-S1-A27]  -892.39 1.89 135 top
LED289  -  [LED-SMD_8P-L5.0-W5.0-P1.20_HL-5050RGBW-S1-A27]  -885.39 24.29 45 top
LED290  -  [LED-SMD_8P-L5.0-W5.0-P1.20_HL-5050RGBW-S1-A27]  -877.99 24.29 315 top
LED291  -  [LED-SMD_8P-L5.0-W5.0-P1.20_HL-5050RGBW-S1-A27]  -877.99 16.89 225 top
LED292  -  [LED-SMD_8P-L5.0-W5.0-P1.20_HL-5050RGBW-S1-A27]  -885.39 16.89 135 top
LED293  -  [LED-SMD_8P-L5.0-W5.0-P1.20_HL-5050RGBW-S1-A27]  -870.39 24.29 45 top
